# Altium PCB LimeSDR-X3_1v1.PcbDoc (part 24 of 25)
Units mm, origin at the board's own origin, x right, y up, seen from the top; angles counter-clockwise.
Board outline 232.5 x 111.15 mm, 12 copper layers (Top, L2, L3, L4, L5, L6, L7, L8, L9, L10, L11, Bottom), stack 1.596 mm thick; 2068 components, 1388 nets, 8930 pads, 3646 vias.
Unrouted connection lines stored in the file: 1.
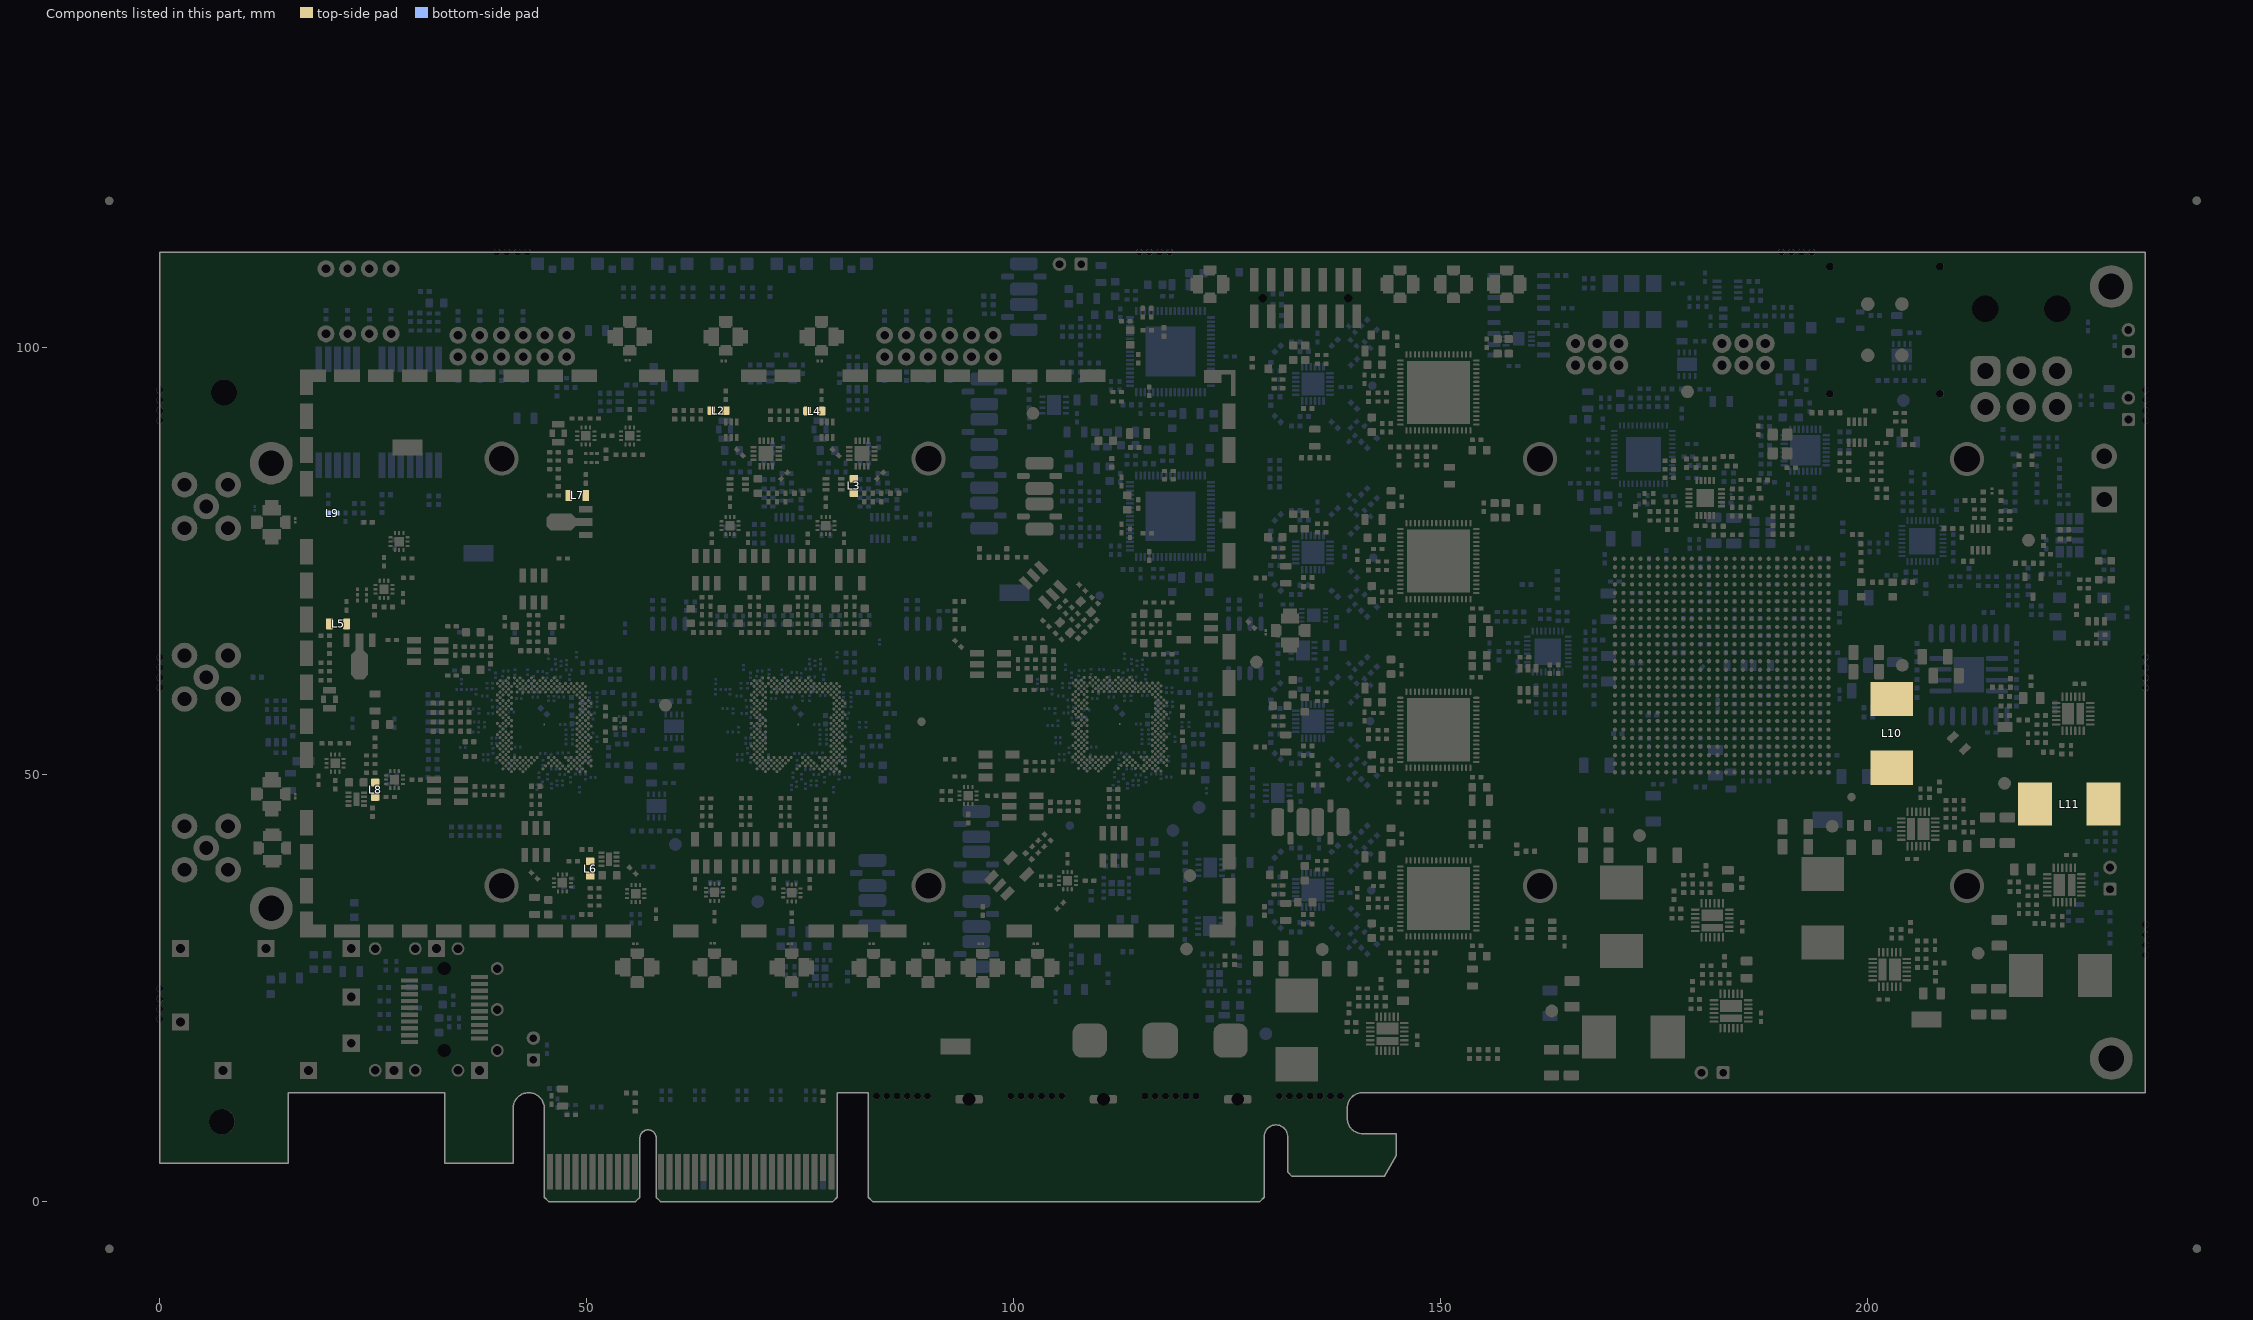
[diagram p34: the components of this part, seen from the top]

## Other copper (continued)
L2:
  pour cut-out: 45,1.4 56.2,1.4 56.2,7.475 cw(c57.125,7.475) 57.125,8.4 57.15,8.4 cw(c57.15,7.45) 58.1,7.45 58.1,1.4 79.3,1.4 79.3,5.55 45,5.55
  pour cut-out: 24.3,68.25 cw(c23.55,68.25) 23.55,67.5 23.55,69 cw(c23.55,68.25)
  pour cut-out: 91.64,49.787 cw(c92.39,49.787) 92.39,50.537 92.39,49.037 cw(c92.39,49.787)
  pour cut-out: 56.611,78.839 cw(c56.081,79.369) 55.551,78.839 56.611,79.899 cw(c56.081,79.369)
  pour cut-out: 57.786,89.67 cw(c57.036,89.67) 57.036,88.92 57.036,90.42 cw(c57.036,89.67)
  pour cut-out: 93.845,73.795 cw(c94.375,74.325) 93.845,74.855 94.905,73.795 cw(c94.375,74.325)
  pour cut-out: 199.975,105.1 199.975,105.9 ccw(c199.975,105.1) 199.175,105.1 ccw(c199.975,105.1) 199.975,104.3 ccw(c199.975,105.1) 200.775,105.1 ccw(c199.975,105.1) 199.975,105.9
  pour cut-out: 30.779,77.289 cw(c30.029,77.289) 30.029,76.539 30.029,78.039 cw(c30.029,77.289)
  pour cut-out: 107.605,41.83 cw(c107.075,41.3) 107.605,40.77 106.545,41.83 cw(c107.075,41.3)
  pour cut-out: 93.1,72.632 cw(c93.1,71.882) 93.85,71.882 92.35,71.882 cw(c93.1,71.882)
  pour cut-out: 23.291,51.332 cw(c22.541,51.332) 22.541,50.582 22.541,52.082 cw(c22.541,51.332)
  pour cut-out: 47.127,34.551 cw(c47.127,35.301) 46.377,35.301 47.877,35.301 cw(c47.127,35.301)
  pour cut-out: 52.934,36.069 cw(c53.684,36.069) 53.684,36.819 53.684,35.319 cw(c53.684,36.069)
  pour cut-out: 27.466,53.307 cw(c27.466,52.557) 28.216,52.557 26.716,52.557 cw(c27.466,52.557)
  pour cut-out: 81.75,85.474 81.75,83.824 80.75,83.824 80.75,85.474
  pour cut-out: 76.651,93.075 78.301,93.075 78.301,92.075 76.651,92.075
  pour cut-out: 65.426,93.125 67.076,93.125 67.076,92.125 65.426,92.125
  pour cut-out: 70.522,85.473 70.522,83.823 69.522,83.823 69.522,85.473
  pour cut-out: 76.102,100.779 78.827,100.779 78.827,99.079 76.102,99.079
  pour cut-out: 64.876,100.779 67.601,100.779 67.601,99.079 64.876,99.079
  pour cut-out: 53.65,100.779 56.375,100.779 56.375,99.079 53.65,99.079
  pour cut-out: 13.571,78.176 13.571,80.901 15.271,80.901 15.271,78.176
  pour cut-out: 13.571,46.344 13.571,49.069 15.271,49.069 15.271,46.344
  pour cut-out: 12.668,42.772 12.668,40.047 10.968,40.047 10.968,42.772
  pour cut-out: 57.264,27.921 54.539,27.921 54.539,29.621 57.264,29.621
  pour cut-out: 66.312,27.921 63.587,27.921 63.587,29.621 66.312,29.621
  pour cut-out: 75.359,27.921 72.634,27.921 72.634,29.621 75.359,29.621
  pour cut-out: 84.922,27.9 82.197,27.9 82.197,29.6 84.922,29.6
  pour cut-out: 91.322,27.9 88.597,27.9 88.597,29.6 91.322,29.6
  pour cut-out: 97.722,27.9 94.997,27.9 94.997,29.6 97.722,29.6
  pour cut-out: 104.122,27.9 101.397,27.9 101.397,29.6 104.122,29.6
  pour cut-out: 99.33,38.717 100.801,40.188 99.563,41.425 98.092,39.954
  pour cut-out: 101.232,36.815 102.703,38.286 101.465,39.523 99.994,38.052
  pour cut-out: 98.863,38.25 97.392,36.779 96.155,38.017 97.626,39.488
  pour cut-out: 109.71,41.053 109.71,39.135 111.06,39.135 111.06,41.053
  pour cut-out: 111.064,42.036 111.064,43.955 109.714,43.955 109.714,42.036
  pour cut-out: 113.604,42.036 113.604,43.955 112.254,43.955 112.254,42.036
  pour cut-out: 100.548,48.214 98.63,48.214 98.63,46.864 100.548,46.864
  pour cut-out: 101.531,46.86 103.45,46.86 103.45,48.21 101.531,48.21
  pour cut-out: 101.531,44.32 103.45,44.32 103.45,45.67 101.531,45.67
  pour cut-out: 121.805,67.603 123.885,67.603 123.885,69.353 121.805,69.353
  pour cut-out: 121.145,69.343 119.065,69.343 119.065,67.593 121.145,67.593
  pour cut-out: 121.145,66.653 119.065,66.653 119.065,64.903 121.145,64.903
  pour cut-out: 97.909,48.796 95.829,48.796 95.829,50.546 97.909,50.546
  pour cut-out: 98.569,53.226 100.649,53.226 100.649,51.476 98.569,51.476
  pour cut-out: 98.569,50.536 100.649,50.536 100.649,48.786 98.569,48.786
  pour cut-out: 97.747,60.997 99.666,60.997 99.666,62.347 97.747,62.347
  pour cut-out: 97.747,63.537 99.666,63.537 99.666,64.887 97.747,64.887
  pour cut-out: 96.764,64.89 94.846,64.89 94.846,63.54 96.764,63.54
  pour cut-out: 102.386,70.494 103.743,69.137 104.697,70.092 103.341,71.448
  pour cut-out: 104.182,72.29 105.539,70.933 106.493,71.888 105.137,73.245
  pour cut-out: 104.444,73.942 103.087,75.298 102.133,74.344 103.489,72.987
  pour cut-out: 63.515,40.515 63.515,38.435 61.765,38.435 61.765,40.515
  pour cut-out: 61.775,41.175 61.775,43.255 63.525,43.255 63.525,41.175
  pour cut-out: 64.465,41.175 64.465,43.255 66.215,43.255 66.215,41.175
  pour cut-out: 72.745,40.515 72.745,38.435 70.995,38.435 70.995,40.515
  pour cut-out: 75.435,41.175 75.435,43.255 73.685,43.255 73.685,41.175
  pour cut-out: 72.745,41.175 72.745,43.255 70.995,43.255 70.995,41.175
  pour cut-out: 79.317,41.336 79.317,43.254 77.967,43.254 77.967,41.336
  pour cut-out: 76.777,41.336 76.777,43.254 75.427,43.254 75.427,41.336
  pour cut-out: 75.423,40.353 75.423,38.434 76.773,38.434 76.773,40.353
  pour cut-out: 70.527,41.336 70.527,43.255 69.177,43.255 69.177,41.336
  pour cut-out: 67.987,41.336 67.987,43.255 66.637,43.255 66.637,41.336
  pour cut-out: 66.633,40.353 66.633,38.435 67.983,38.435 67.983,40.353
  pour cut-out: 45.949,42.658 45.949,44.577 44.599,44.577 44.599,42.658
  pour cut-out: 43.409,42.658 43.409,44.577 42.059,44.577 42.059,42.658
  pour cut-out: 42.056,41.675 42.056,39.757 43.406,39.757 43.406,41.675
  pour cut-out: 31.842,62.535 33.76,62.535 33.76,63.885 31.842,63.885
  pour cut-out: 31.842,65.075 33.76,65.075 33.76,66.425 31.842,66.425
  pour cut-out: 30.859,66.428 28.94,66.428 28.94,65.078 30.859,65.078
  pour cut-out: 41.794,71.24 41.794,69.321 43.144,69.321 43.144,71.24
  pour cut-out: 44.334,71.24 44.334,69.321 45.684,69.321 45.684,71.24
  pour cut-out: 45.688,72.223 45.688,74.141 44.338,74.141 44.338,72.223
  pour cut-out: 73.249,73.504 73.249,71.585 74.599,71.585 74.599,73.504
  pour cut-out: 75.789,73.504 75.789,71.585 77.139,71.585 77.139,73.504
  pour cut-out: 77.142,74.487 77.142,76.405 75.792,76.405 75.792,74.487
  pour cut-out: 81.301,73.665 81.301,71.585 83.051,71.585 83.051,73.665
  pour cut-out: 78.611,73.665 78.611,71.585 80.361,71.585 80.361,73.665
  pour cut-out: 80.351,74.325 80.351,76.405 78.601,76.405 78.601,74.325
  pour cut-out: 70.075,73.665 70.075,71.585 71.825,71.585 71.825,73.665
  pour cut-out: 67.385,73.665 67.385,71.585 69.135,71.585 69.135,73.665
  pour cut-out: 69.125,74.325 69.125,76.405 67.375,76.405 67.375,74.325
  pour cut-out: 65.916,74.487 65.916,76.405 64.566,76.405 64.566,74.487
  pour cut-out: 64.563,73.504 64.563,71.585 65.913,71.585 65.913,73.504
  pour cut-out: 62.023,73.504 62.023,71.585 63.373,71.585 63.373,73.504
  pour cut-out: 49.182,83.344 50.582,83.344 50.582,82.044 49.182,82.044
  pour cut-out: 48.71,81.415 51.013,81.415 51.013,80.39 48.71,80.39
  pour cut-out: 51.013,77.724 48.71,77.724 48.71,78.749 51.013,78.749
  pour cut-out: 34.158,46.16 36.076,46.16 36.076,47.51 34.158,47.51
  pour cut-out: 34.158,48.7 36.076,48.7 36.076,50.05 34.158,50.05
  pour cut-out: 25.2,66.903 25.2,64.6 24.175,64.6 24.175,66.903
  region net GND: 231.875,91.825 229.125,91.825 229.125,91.325 231.875,91.325
  region net GND: 230.25,92.95 230.25,90.2 230.75,90.2 230.75,92.95
  region net GND: 224.7,82.979 224.7,81.5 230.6,81.5 230.6,82.979
  region net GND: 228.419,85.16 226.94,85.16 226.94,79.26 228.419,79.26
  pour cut-out: 24.691,46.625 24.691,48.125 25.691,48.125 25.691,46.625
  pour cut-out: 50.877,40.675 50.877,39.025 49.877,39.025 49.877,40.675
  pour cut-out: 131.825,68.25 131.825,65.525 130.125,65.525 130.125,68.25
  pour cut-out: 33.175,48.7 31.256,48.7 31.256,50.05 33.175,50.05
  pour cut-out: 22.575,66.552 22.575,64.6 21.175,64.6 21.175,66.552
  pour cut-out: 21.175,68.302 22.575,68.302 22.575,67.002 21.175,67.002
L3:
  pour cut-out: 20.23,71.555 cw(c19.7,71.025) 20.23,70.495 cw(c19.7,71.025) 19.17,70.495 cw(c19.7,71.025) 19.17,71.555 cw(c19.7,71.025)
  pour cut-out: 24.3,68.25 cw(c23.55,68.25) 23.55,67.5 cw(c23.55,68.25) 22.8,68.25 cw(c23.55,68.25) 23.55,69 cw(c23.55,68.25)
  pour cut-out: 91.64,49.787 cw(c92.39,49.787) 92.39,50.537 cw(c92.39,49.787) 93.14,49.787 cw(c92.39,49.787) 92.39,49.037 cw(c92.39,49.787)
  pour cut-out: 56.611,78.839 cw(c56.081,79.369) 55.551,78.839 cw(c56.081,79.369) 55.551,79.899 cw(c56.081,79.369) 56.611,79.899 cw(c56.081,79.369)
  pour cut-out: 57.786,89.67 cw(c57.036,89.67) 57.036,88.92 cw(c57.036,89.67) 56.286,89.67 cw(c57.036,89.67) 57.036,90.42 cw(c57.036,89.67)
  pour cut-out: 93.845,73.795 cw(c94.375,74.325) 93.845,74.855 cw(c94.375,74.325) 94.905,74.855 cw(c94.375,74.325) 94.905,73.795 cw(c94.375,74.325)
  pour cut-out: 30.779,77.289 cw(c30.029,77.289) 30.029,76.539 cw(c30.029,77.289) 29.279,77.289 cw(c30.029,77.289) 30.029,78.039 cw(c30.029,77.289)
  pour cut-out: 107.605,41.83 cw(c107.075,41.3) 107.605,40.77 cw(c107.075,41.3) 106.545,40.77 cw(c107.075,41.3) 106.545,41.83 cw(c107.075,41.3)
  pour cut-out: 93.1,72.632 cw(c93.1,71.882) 93.85,71.882 cw(c93.1,71.882) 93.1,71.132 cw(c93.1,71.882) 92.35,71.882 cw(c93.1,71.882)
  pour cut-out: 23.291,51.332 cw(c22.541,51.332) 22.541,50.582 cw(c22.541,51.332) 21.791,51.332 cw(c22.541,51.332) 22.541,52.082 cw(c22.541,51.332)
  pour cut-out: 47.127,34.551 cw(c47.127,35.301) 46.377,35.301 cw(c47.127,35.301) 47.127,36.051 cw(c47.127,35.301) 47.877,35.301 cw(c47.127,35.301)
  pour cut-out: 52.934,36.069 cw(c53.684,36.069) 53.684,36.819 cw(c53.684,36.069) 54.434,36.069 cw(c53.684,36.069) 53.684,35.319 cw(c53.684,36.069)
  pour cut-out: 27.466,53.307 cw(c27.466,52.557) 28.216,52.557 cw(c27.466,52.557) 27.466,51.807 cw(c27.466,52.557) 26.716,52.557 cw(c27.466,52.557)
  region net FPGA_DONE: 186.875,68.775
  text "A" at 35.693,6.37 h0.7
  text "V" at 36.693,6.37 h0.7
  text "D" at 37.793,6.37 h0.7
  text "R" at 38.343,6.37 h0.7
  text "L" at 36.168,5.795 h0.7
L4:
  pour cut-out: 20.23,71.555 cw(c19.7,71.025) 20.23,70.495 cw(c19.7,71.025) 19.17,70.495 cw(c19.7,71.025) 19.17,71.555 cw(c19.7,71.025)
  pour cut-out: 24.3,68.25 cw(c23.55,68.25) 23.55,67.5 cw(c23.55,68.25) 22.8,68.25 cw(c23.55,68.25) 23.55,69 cw(c23.55,68.25)
  pour cut-out: 218.688,80.582 cw(c218.688,80.082) 219.187,80.082 219.187,79.907 cw(c218.688,79.907) 218.688,79.407 217.913,79.407 cw(c217.912,79.832) 217.487,79.832 217.487,80.107 cw(c217.962,80.107) 217.963,80.582
  pour cut-out: 91.64,49.787 cw(c92.39,49.787) 92.39,50.537 cw(c92.39,49.787) 93.14,49.787 cw(c92.39,49.787) 92.39,49.037 cw(c92.39,49.787)
  pour cut-out: 56.611,78.839 cw(c56.081,79.369) 55.551,78.839 cw(c56.081,79.369) 55.551,79.899 cw(c56.081,79.369) 56.611,79.899 cw(c56.081,79.369)
  pour cut-out: 57.786,89.67 cw(c57.036,89.67) 57.036,88.92 cw(c57.036,89.67) 56.286,89.67 cw(c57.036,89.67) 57.036,90.42 cw(c57.036,89.67)
  pour cut-out: 93.845,73.795 cw(c94.375,74.325) 93.845,74.855 cw(c94.375,74.325) 94.905,74.855 cw(c94.375,74.325) 94.905,73.795 cw(c94.375,74.325)
  pour cut-out: 30.779,77.289 cw(c30.029,77.289) 30.029,76.539 cw(c30.029,77.289) 29.279,77.289 cw(c30.029,77.289) 30.029,78.039 cw(c30.029,77.289)
  pour cut-out: 107.605,41.83 cw(c107.075,41.3) 107.605,40.77 cw(c107.075,41.3) 106.545,40.77 cw(c107.075,41.3) 106.545,41.83 cw(c107.075,41.3)
  pour cut-out: 93.1,72.632 cw(c93.1,71.882) 93.85,71.882 cw(c93.1,71.882) 93.1,71.132 cw(c93.1,71.882) 92.35,71.882 cw(c93.1,71.882)
  pour cut-out: 23.291,51.332 cw(c22.541,51.332) 22.541,50.582 cw(c22.541,51.332) 21.791,51.332 cw(c22.541,51.332) 22.541,52.082 cw(c22.541,51.332)
  pour cut-out: 47.127,34.551 cw(c47.127,35.301) 46.377,35.301 cw(c47.127,35.301) 47.127,36.051 cw(c47.127,35.301) 47.877,35.301 cw(c47.127,35.301)
  pour cut-out: 52.934,36.069 cw(c53.684,36.069) 53.684,36.819 cw(c53.684,36.069) 54.434,36.069 cw(c53.684,36.069) 53.684,35.319 cw(c53.684,36.069)
  pour cut-out: 27.466,53.307 cw(c27.466,52.557) 28.216,52.557 cw(c27.466,52.557) 27.466,51.807 cw(c27.466,52.557) 26.716,52.557 cw(c27.466,52.557)
  region net VCC1P4_LMS1: 77.925,63.721 78.05,63.721 78.475,63.296 79.4,63.296 79.9,63.796 79.9,64.196 77.925,64.196
L5:
  pour cut-out: 20.23,70.495 cw(c19.7,71.025) 19.17,70.495 cw(c19.7,71.025) 19.17,71.555 cw(c19.7,71.025) 20.23,71.555 cw(c19.7,71.025)
  pour cut-out: 23.55,67.5 cw(c23.55,68.25) 22.8,68.25 cw(c23.55,68.25) 23.55,69 cw(c23.55,68.25) 24.3,68.25 cw(c23.55,68.25)
  pour cut-out: 91.859,50.317 cw(c92.39,49.787) 92.92,50.317 cw(c92.39,49.787) 92.92,49.257 cw(c92.39,49.787) 91.859,49.257 cw(c92.39,49.787)
  pour cut-out: 56.081,78.619 cw(c56.081,79.369) 55.331,79.369 cw(c56.081,79.369) 56.081,80.119 cw(c56.081,79.369) 56.831,79.369 cw(c56.081,79.369)
  pour cut-out: 57.566,89.139 cw(c57.036,89.67) 56.506,89.139 cw(c57.036,89.67) 56.506,90.2 cw(c57.036,89.67) 57.566,90.2 cw(c57.036,89.67)
  pour cut-out: 93.625,74.325 cw(c94.375,74.325) 94.375,75.075 cw(c94.375,74.325) 95.125,74.325 cw(c94.375,74.325) 94.375,73.575 cw(c94.375,74.325)
  pour cut-out: 93.63,72.413 cw(c93.1,71.882) 93.63,71.352 cw(c93.1,71.882) 92.57,71.352 cw(c93.1,71.882) 92.57,72.413 cw(c93.1,71.882)
  pour cut-out: 46.377,35.301 cw(c47.127,35.301) 47.127,36.051 cw(c47.127,35.301) 47.877,35.301 cw(c47.127,35.301) 47.127,34.551 cw(c47.127,35.301)
  pour cut-out: 54.434,36.069 cw(c53.684,36.069) 53.684,35.319 cw(c53.684,36.069) 52.934,36.069 cw(c53.684,36.069) 53.684,36.819 cw(c53.684,36.069)
  pour cut-out: 27.466,51.807 cw(c27.466,52.557) 26.716,52.557 cw(c27.466,52.557) 27.466,53.307 cw(c27.466,52.557) 28.216,52.557 cw(c27.466,52.557)
  pour cut-out: 22.541,50.582 cw(c22.541,51.332) 21.791,51.332 cw(c22.541,51.332) 22.541,52.082 cw(c22.541,51.332) 23.291,51.332 cw(c22.541,51.332)
  pour cut-out: 30.029,76.539 cw(c30.029,77.289) 29.279,77.289 cw(c30.029,77.289) 30.029,78.039 cw(c30.029,77.289) 30.779,77.289 cw(c30.029,77.289)
  pour cut-out: 107.605,40.77 cw(c107.075,41.3) 106.545,40.77 cw(c107.075,41.3) 106.545,41.83 cw(c107.075,41.3) 107.605,41.83 cw(c107.075,41.3)
  region net GND: 230.25,92.95 230.25,90.2 230.75,90.2 230.75,92.95
  region net GND: 231.875,91.825 229.125,91.825 229.125,91.325 231.875,91.325
  region net GND: 228.419,85.16 226.94,85.16 226.94,79.26 228.419,79.26
  region net GND: 224.7,82.979 224.7,81.5 230.6,81.5 230.6,82.979
L7:
  pour cut-out: 20.23,70.495 cw(c19.7,71.025) 19.17,70.495 cw(c19.7,71.025) 19.17,71.555 cw(c19.7,71.025) 20.23,71.555 cw(c19.7,71.025)
  pour cut-out: 23.55,67.5 cw(c23.55,68.25) 22.8,68.25 cw(c23.55,68.25) 23.55,69 cw(c23.55,68.25) 24.3,68.25 cw(c23.55,68.25)
  pour cut-out: 91.859,50.317 cw(c92.39,49.787) 92.92,50.317 cw(c92.39,49.787) 92.92,49.257 cw(c92.39,49.787) 91.859,49.257 cw(c92.39,49.787)
  pour cut-out: 56.081,78.619 cw(c56.081,79.369) 55.331,79.369 cw(c56.081,79.369) 56.081,80.119 cw(c56.081,79.369) 56.831,79.369 cw(c56.081,79.369)
  pour cut-out: 57.566,89.139 cw(c57.036,89.67) 56.506,89.139 cw(c57.036,89.67) 56.506,90.2 cw(c57.036,89.67) 57.566,90.2 cw(c57.036,89.67)
  pour cut-out: 93.625,74.325 cw(c94.375,74.325) 94.375,75.075 cw(c94.375,74.325) 95.125,74.325 cw(c94.375,74.325) 94.375,73.575 cw(c94.375,74.325)
  pour cut-out: 93.63,72.413 cw(c93.1,71.882) 93.63,71.352 cw(c93.1,71.882) 92.57,71.352 cw(c93.1,71.882) 92.57,72.413 cw(c93.1,71.882)
  pour cut-out: 46.377,35.301 cw(c47.127,35.301) 47.127,36.051 cw(c47.127,35.301) 47.877,35.301 cw(c47.127,35.301) 47.127,34.551 cw(c47.127,35.301)
  pour cut-out: 54.434,36.069 cw(c53.684,36.069) 53.684,35.319 cw(c53.684,36.069) 52.934,36.069 cw(c53.684,36.069) 53.684,36.819 cw(c53.684,36.069)
  pour cut-out: 27.466,51.807 cw(c27.466,52.557) 26.716,52.557 cw(c27.466,52.557) 27.466,53.307 cw(c27.466,52.557) 28.216,52.557 cw(c27.466,52.557)
  pour cut-out: 22.541,50.582 cw(c22.541,51.332) 21.791,51.332 cw(c22.541,51.332) 22.541,52.082 cw(c22.541,51.332) 23.291,51.332 cw(c22.541,51.332)
  pour cut-out: 30.029,76.539 cw(c30.029,77.289) 29.279,77.289 cw(c30.029,77.289) 30.029,78.039 cw(c30.029,77.289) 30.779,77.289 cw(c30.029,77.289)
  pour cut-out: 107.605,40.77 cw(c107.075,41.3) 106.545,40.77 cw(c107.075,41.3) 106.545,41.83 cw(c107.075,41.3) 107.605,41.83 cw(c107.075,41.3)
  region net GND: 231.875,91.825 229.125,91.825 229.125,91.325 231.875,91.325
  region net GND: 230.25,92.95 230.25,90.2 230.75,90.2 230.75,92.95
  region net GND: 224.7,82.979 224.7,81.5 230.6,81.5 230.6,82.979
  region net GND: 228.419,85.16 226.94,85.16 226.94,79.26 228.419,79.26
L8:
  pour cut-out: 20.23,70.495 cw(c19.7,71.025) 19.17,70.495 cw(c19.7,71.025) 19.17,71.555 cw(c19.7,71.025) 20.23,71.555 cw(c19.7,71.025)
  pour cut-out: 23.55,67.5 cw(c23.55,68.25) 22.8,68.25 cw(c23.55,68.25) 23.55,69 cw(c23.55,68.25) 24.3,68.25 cw(c23.55,68.25)
  pour cut-out: 91.859,50.317 cw(c92.39,49.787) 92.92,50.317 cw(c92.39,49.787) 92.92,49.257 cw(c92.39,49.787) 91.859,49.257 cw(c92.39,49.787)
  pour cut-out: 56.081,78.619 cw(c56.081,79.369) 55.331,79.369 cw(c56.081,79.369) 56.081,80.119 cw(c56.081,79.369) 56.831,79.369 cw(c56.081,79.369)
  pour cut-out: 57.566,89.139 cw(c57.036,89.67) 56.506,89.139 cw(c57.036,89.67) 56.506,90.2 cw(c57.036,89.67) 57.566,90.2 cw(c57.036,89.67)
  pour cut-out: 93.625,74.325 cw(c94.375,74.325) 94.375,75.075 cw(c94.375,74.325) 95.125,74.325 cw(c94.375,74.325) 94.375,73.575 cw(c94.375,74.325)
  pour cut-out: 93.63,72.413 cw(c93.1,71.882) 93.63,71.352 cw(c93.1,71.882) 92.57,71.352 cw(c93.1,71.882) 92.57,72.413 cw(c93.1,71.882)
  pour cut-out: 46.377,35.301 cw(c47.127,35.301) 47.127,36.051 cw(c47.127,35.301) 47.877,35.301 cw(c47.127,35.301) 47.127,34.551 cw(c47.127,35.301)
  pour cut-out: 54.434,36.069 cw(c53.684,36.069) 53.684,35.319 cw(c53.684,36.069) 52.934,36.069 cw(c53.684,36.069) 53.684,36.819 cw(c53.684,36.069)
  pour cut-out: 27.466,51.807 cw(c27.466,52.557) 26.716,52.557 cw(c27.466,52.557) 27.466,53.307 cw(c27.466,52.557) 28.216,52.557 cw(c27.466,52.557)
  pour cut-out: 22.541,50.582 cw(c22.541,51.332) 21.791,51.332 cw(c22.541,51.332) 22.541,52.082 cw(c22.541,51.332) 23.291,51.332 cw(c22.541,51.332)
  pour cut-out: 30.029,76.539 cw(c30.029,77.289) 29.279,77.289 cw(c30.029,77.289) 30.029,78.039 cw(c30.029,77.289) 30.779,77.289 cw(c30.029,77.289)
  pour cut-out: 107.605,40.77 cw(c107.075,41.3) 106.545,40.77 cw(c107.075,41.3) 106.545,41.83 cw(c107.075,41.3) 107.605,41.83 cw(c107.075,41.3)
  region net VCC5P0: 136.025,29.35 136.025,20.525 132.9,17.4 126.45,17.4 122.35,21.5 119.325,21.5 117.173,23.652 117.173,25.55 119.775,25.55 120.475,24.85 123.7,24.85 128.025,20.525 130.425,20.525 131.575,21.675 131.575,29.35
  region net VCC5P0: 131.575,29.35 131.575,31.875 128.8,34.65 128.8,35.85 129.45,36.5 130,36.5 136.025,30.475 136.025,29.35
  region net VDIO_LMS_FPGA: 196.925,71.725 196.8,71.6 196.55,71.6 196.2,71.95 196.2,72.375 196.625,72.8 196.8,72.8 196.925,72.675
L9:
  pour cut-out: 20.23,70.495 cw(c19.7,71.025) 19.17,70.495 cw(c19.7,71.025) 19.17,71.555 cw(c19.7,71.025) 20.23,71.555 cw(c19.7,71.025)
  pour cut-out: 23.55,67.5 cw(c23.55,68.25) 22.8,68.25 cw(c23.55,68.25) 23.55,69 cw(c23.55,68.25) 24.3,68.25 cw(c23.55,68.25)
  pour cut-out: 91.859,50.317 cw(c92.39,49.787) 92.92,50.317 cw(c92.39,49.787) 92.92,49.257 cw(c92.39,49.787) 91.859,49.257 cw(c92.39,49.787)
  pour cut-out: 56.081,78.619 cw(c56.081,79.369) 55.331,79.369 cw(c56.081,79.369) 56.081,80.119 cw(c56.081,79.369) 56.831,79.369 cw(c56.081,79.369)
  pour cut-out: 57.566,89.139 cw(c57.036,89.67) 56.506,89.139 cw(c57.036,89.67) 56.506,90.2 cw(c57.036,89.67) 57.566,90.2 cw(c57.036,89.67)
  pour cut-out: 93.625,74.325 cw(c94.375,74.325) 94.375,75.075 cw(c94.375,74.325) 95.125,74.325 cw(c94.375,74.325) 94.375,73.575 cw(c94.375,74.325)
  pour cut-out: 93.63,72.413 cw(c93.1,71.882) 93.63,71.352 cw(c93.1,71.882) 92.57,71.352 cw(c93.1,71.882) 92.57,72.413 cw(c93.1,71.882)
  pour cut-out: 46.377,35.301 cw(c47.127,35.301) 47.127,36.051 cw(c47.127,35.301) 47.877,35.301 cw(c47.127,35.301) 47.127,34.551 cw(c47.127,35.301)
  pour cut-out: 54.434,36.069 cw(c53.684,36.069) 53.684,35.319 cw(c53.684,36.069) 52.934,36.069 cw(c53.684,36.069) 53.684,36.819 cw(c53.684,36.069)
  pour cut-out: 27.466,51.807 cw(c27.466,52.557) 26.716,52.557 cw(c27.466,52.557) 27.466,53.307 cw(c27.466,52.557) 28.216,52.557 cw(c27.466,52.557)
  pour cut-out: 22.541,50.582 cw(c22.541,51.332) 21.791,51.332 cw(c22.541,51.332) 22.541,52.082 cw(c22.541,51.332) 23.291,51.332 cw(c22.541,51.332)
  pour cut-out: 30.029,76.539 cw(c30.029,77.289) 29.279,77.289 cw(c30.029,77.289) 30.029,78.039 cw(c30.029,77.289) 30.779,77.289 cw(c30.029,77.289)
  pour cut-out: 107.605,40.77 cw(c107.075,41.3) 106.545,40.77 cw(c107.075,41.3) 106.545,41.83 cw(c107.075,41.3) 107.605,41.83 cw(c107.075,41.3)
  region net GND: 230.25,92.95 230.25,90.2 230.75,90.2 230.75,92.95
  region net GND: 231.875,91.825 229.125,91.825 229.125,91.325 231.875,91.325
  region net GND: 228.419,85.16 226.94,85.16 226.94,79.26 228.419,79.26
  region net GND: 224.7,82.979 224.7,81.5 230.6,81.5 230.6,82.979
L10:
  pour cut-out: 20.23,70.495 cw(c19.7,71.025) 19.17,70.495 cw(c19.7,71.025) 19.17,71.555 cw(c19.7,71.025) 20.23,71.555 cw(c19.7,71.025)
  pour cut-out: 23.55,67.5 cw(c23.55,68.25) 22.8,68.25 cw(c23.55,68.25) 23.55,69 cw(c23.55,68.25) 24.3,68.25 cw(c23.55,68.25)
  pour cut-out: 91.859,50.317 cw(c92.39,49.787) 92.92,50.317 cw(c92.39,49.787) 92.92,49.257 cw(c92.39,49.787) 91.859,49.257 cw(c92.39,49.787)
  pour cut-out: 56.081,78.619 cw(c56.081,79.369) 55.331,79.369 cw(c56.081,79.369) 56.081,80.119 cw(c56.081,79.369) 56.831,79.369 cw(c56.081,79.369)
  pour cut-out: 57.566,89.139 cw(c57.036,89.67) 56.506,89.139 cw(c57.036,89.67) 56.506,90.2 cw(c57.036,89.67) 57.566,90.2 cw(c57.036,89.67)
  pour cut-out: 93.625,74.325 cw(c94.375,74.325) 94.375,75.075 cw(c94.375,74.325) 95.125,74.325 cw(c94.375,74.325) 94.375,73.575 cw(c94.375,74.325)
  pour cut-out: 93.63,72.413 cw(c93.1,71.882) 93.63,71.352 cw(c93.1,71.882) 92.57,71.352 cw(c93.1,71.882) 92.57,72.413 cw(c93.1,71.882)
  pour cut-out: 46.377,35.301 cw(c47.127,35.301) 47.127,36.051 cw(c47.127,35.301) 47.877,35.301 cw(c47.127,35.301) 47.127,34.551 cw(c47.127,35.301)
  pour cut-out: 54.434,36.069 cw(c53.684,36.069) 53.684,35.319 cw(c53.684,36.069) 52.934,36.069 cw(c53.684,36.069) 53.684,36.819 cw(c53.684,36.069)
  pour cut-out: 27.466,51.807 cw(c27.466,52.557) 26.716,52.557 cw(c27.466,52.557) 27.466,53.307 cw(c27.466,52.557) 28.216,52.557 cw(c27.466,52.557)
  pour cut-out: 22.541,50.582 cw(c22.541,51.332) 21.791,51.332 cw(c22.541,51.332) 22.541,52.082 cw(c22.541,51.332) 23.291,51.332 cw(c22.541,51.332)
  pour cut-out: 30.029,76.539 cw(c30.029,77.289) 29.279,77.289 cw(c30.029,77.289) 30.029,78.039 cw(c30.029,77.289) 30.779,77.289 cw(c30.029,77.289)
  pour cut-out: 107.605,40.77 cw(c107.075,41.3) 106.545,40.77 cw(c107.075,41.3) 106.545,41.83 cw(c107.075,41.3) 107.605,41.83 cw(c107.075,41.3)
  region net VCC3P3: 190.656,78.2 191.9,78.2 192.611,77.489
L6:
  pour cut-out: 19.17,71.555 cw(c19.7,71.025) 20.23,71.555 cw(c19.7,71.025) 20.23,70.495 cw(c19.7,71.025) 19.17,70.495 cw(c19.7,71.025)
  pour cut-out: 20.23,70.495 cw(c19.7,71.025) 19.17,70.495 cw(c19.7,71.025) 19.17,71.555 cw(c19.7,71.025) 20.23,71.555 cw(c19.7,71.025)
  pour cut-out: 23.55,69 cw(c23.55,68.25) 24.3,68.25 cw(c23.55,68.25) 23.55,67.5 cw(c23.55,68.25) 22.8,68.25 cw(c23.55,68.25)
  pour cut-out: 23.55,67.5 cw(c23.55,68.25) 22.8,68.25 cw(c23.55,68.25) 23.55,69 cw(c23.55,68.25) 24.3,68.25 cw(c23.55,68.25)
  pour cut-out: 91.859,50.317 cw(c92.39,49.787) 92.92,50.317 cw(c92.39,49.787) 92.92,49.257 cw(c92.39,49.787) 91.859,49.257 cw(c92.39,49.787)
  pour cut-out: 92.39,49.037 cw(c92.39,49.787) 91.64,49.787 cw(c92.39,49.787) 92.39,50.537 cw(c92.39,49.787) 93.14,49.787 cw(c92.39,49.787)
  pour cut-out: 56.081,78.619 cw(c56.081,79.369) 55.331,79.369 cw(c56.081,79.369) 56.081,80.119 cw(c56.081,79.369) 56.831,79.369 cw(c56.081,79.369)
  pour cut-out: 56.611,79.899 cw(c56.081,79.369) 56.611,78.839 cw(c56.081,79.369) 55.551,78.839 cw(c56.081,79.369) 55.551,79.899 cw(c56.081,79.369)
  pour cut-out: 57.036,90.42 cw(c57.036,89.67) 57.786,89.67 cw(c57.036,89.67) 57.036,88.92 cw(c57.036,89.67) 56.286,89.67 cw(c57.036,89.67)
  pour cut-out: 57.566,89.139 cw(c57.036,89.67) 56.506,89.139 cw(c57.036,89.67) 56.506,90.2 cw(c57.036,89.67) 57.566,90.2 cw(c57.036,89.67)
  pour cut-out: 94.905,73.795 cw(c94.375,74.325) 93.845,73.795 cw(c94.375,74.325) 93.845,74.855 cw(c94.375,74.325) 94.905,74.855 cw(c94.375,74.325)
  pour cut-out: 93.625,74.325 cw(c94.375,74.325) 94.375,75.075 cw(c94.375,74.325) 95.125,74.325 cw(c94.375,74.325) 94.375,73.575 cw(c94.375,74.325)
  pour cut-out: 93.63,72.413 cw(c93.1,71.882) 93.63,71.352 cw(c93.1,71.882) 92.57,71.352 cw(c93.1,71.882) 92.57,72.413 cw(c93.1,71.882)
  pour cut-out: 46.377,35.301 cw(c47.127,35.301) 47.127,36.051 cw(c47.127,35.301) 47.877,35.301 cw(c47.127,35.301) 47.127,34.551 cw(c47.127,35.301)
  pour cut-out: 54.434,36.069 cw(c53.684,36.069) 53.684,35.319 cw(c53.684,36.069) 52.934,36.069 cw(c53.684,36.069) 53.684,36.819 cw(c53.684,36.069)
  pour cut-out: 27.466,51.807 cw(c27.466,52.557) 26.716,52.557 cw(c27.466,52.557) 27.466,53.307 cw(c27.466,52.557) 28.216,52.557 cw(c27.466,52.557)
  pour cut-out: 22.541,50.582 cw(c22.541,51.332) 21.791,51.332 cw(c22.541,51.332) 22.541,52.082 cw(c22.541,51.332) 23.291,51.332 cw(c22.541,51.332)
  pour cut-out: 30.029,76.539 cw(c30.029,77.289) 29.279,77.289 cw(c30.029,77.289) 30.029,78.039 cw(c30.029,77.289) 30.779,77.289 cw(c30.029,77.289)
  pour cut-out: 107.605,40.77 cw(c107.075,41.3) 106.545,40.77 cw(c107.075,41.3) 106.545,41.83 cw(c107.075,41.3) 107.605,41.83 cw(c107.075,41.3)
  pour cut-out: 30.029,78.039 cw(c30.029,77.289) 30.779,77.289 cw(c30.029,77.289) 30.029,76.539 cw(c30.029,77.289) 29.279,77.289 cw(c30.029,77.289)
  pour cut-out: 106.545,41.83 cw(c107.075,41.3) 107.605,41.83 cw(c107.075,41.3) 107.605,40.77 cw(c107.075,41.3) 106.545,40.77 cw(c107.075,41.3)
  pour cut-out: 92.35,71.882 cw(c93.1,71.882) 93.1,72.632 cw(c93.1,71.882) 93.85,71.882 cw(c93.1,71.882) 93.1,71.132 cw(c93.1,71.882)
  pour cut-out: 22.541,52.082 cw(c22.541,51.332) 23.291,51.332 cw(c22.541,51.332) 22.541,50.582 cw(c22.541,51.332) 21.791,51.332 cw(c22.541,51.332)
  pour cut-out: 47.877,35.301 cw(c47.127,35.301) 47.127,34.551 cw(c47.127,35.301) 46.377,35.301 cw(c47.127,35.301) 47.127,36.051 cw(c47.127,35.301)
  pour cut-out: 53.684,35.319 cw(c53.684,36.069) 52.934,36.069 cw(c53.684,36.069) 53.684,36.819 cw(c53.684,36.069) 54.434,36.069 cw(c53.684,36.069)
  pour cut-out: 26.716,52.557 cw(c27.466,52.557) 27.466,53.307 cw(c27.466,52.557) 28.216,52.557 cw(c27.466,52.557) 27.466,51.807 cw(c27.466,52.557)
  region net VCC3P3: 110.375,22.6 111,22.6 111.175,22.775 111.175,23.45 110.825,23.8 110.6,23.8 110.225,23.425 110.225,22.75
  region net VCC1P8: 212.1,28.025 212.2,28.125 213.4,28.125 213.5,28.025 213.5,26.825 213.375,26.7 212.325,26.7 212.1,26.925
  region net VCC1P8A: 128.025,89.2 129.016,89.2 129.725,88.491 129.725,88.019 129.206,88.019
L11:
  pour cut-out: 45,1.4 56.2,1.4 56.2,7.475 cw(c57.125,7.475) 57.125,8.4 57.15,8.4 cw(c57.15,7.45) 58.1,7.45 58.1,1.4 79.3,1.4 79.3,5.55 45,5.55
  pour cut-out: 19.17,71.555 cw(c19.7,71.025) 20.23,71.555 cw(c19.7,71.025) 20.23,70.495
  pour cut-out: 23.02,68.78 cw(c23.55,68.25) 24.08,68.78 cw(c23.55,68.25) 24.08,67.72
  pour cut-out: 92.92,49.257 cw(c92.39,49.787) 91.859,49.257 cw(c92.39,49.787) 91.859,50.317
  pour cut-out: 55.551,78.839 cw(c56.081,79.369) 55.551,79.899 cw(c56.081,79.369) 56.611,79.899
  pour cut-out: 56.286,89.67 cw(c57.036,89.67) 57.036,90.42 cw(c57.036,89.67) 57.786,89.67
  pour cut-out: 94.375,75.075 cw(c94.375,74.325) 95.125,74.325 cw(c94.375,74.325) 94.375,73.575
  pour cut-out: 28.216,52.557 cw(c27.466,52.557) 27.466,51.807 cw(c27.466,52.557) 26.716,52.557
  pour cut-out: 53.154,36.599 cw(c53.684,36.069) 54.214,36.599 cw(c53.684,36.069) 54.214,35.538
  pour cut-out: 47.127,34.551 cw(c47.127,35.301) 46.377,35.301 cw(c47.127,35.301) 47.127,36.051
  pour cut-out: 23.291,51.332 cw(c22.541,51.332) 22.541,50.582 cw(c22.541,51.332) 21.791,51.332
  pour cut-out: 92.35,71.882 cw(c93.1,71.882) 93.1,72.632 cw(c93.1,71.882) 93.85,71.882
  pour cut-out: 29.279,77.289 cw(c30.029,77.289) 30.029,78.039 cw(c30.029,77.289) 30.779,77.289
  pour cut-out: 106.545,41.83 cw(c107.075,41.3) 107.605,41.83 cw(c107.075,41.3) 107.605,40.77
  pour cut-out: 19.7,84.294 20.4,84.294 20.4,87.95 19.7,87.95
  pour cut-out: 19.7,84.294 19,84.294 19,87.95 19.7,87.95
  region net GND: 230.25,92.95 230.25,90.2 230.75,90.2 230.75,92.95
  region net GND: 231.875,91.825 229.125,91.825 229.125,91.325 231.875,91.325
  region net GND: 228.419,85.16 226.94,85.16 226.94,79.26 228.419,79.26
  region net GND: 224.7,82.979 224.7,81.5 230.6,81.5 230.6,82.979
Bottom:
  drawing of 297 lines, arcs and shapes, not listed
MultiLayer:
  pour cut-out: 45,0.5 45.5,0 55.7,0 56.2,0.5 56.2,7.475 cw(c57.125,7.475) 57.125,8.4 57.15,8.4 cw(c57.15,7.45) 58.1,7.45 58.1,0.5 58.6,0 78.8,0 79.3,0.5 79.3,1.4 45,1.4
  pour cut-out: 5.675,39.275 ccw(c5.675,40.525) 6.925,40.525 6.925,41.4 5.425,41.4 5.425,39.275
  pour cut-out: 5.675,43.525 cw(c5.675,42.275) 6.925,42.275 6.925,41.4 5.425,41.4 5.425,43.525
  pour cut-out: 5.425,41.4 3.3,41.4 3.3,41.65 cw(c5.162,41.663) 5.15,43.525 5.425,43.525
  pour cut-out: 5.425,41.4 3.3,41.4 3.3,41.15 ccw(c5.162,41.137) 5.15,39.275 5.425,39.275
  pour cut-out: 5.675,59.275 ccw(c5.675,60.525) 6.925,60.525 6.925,61.4 5.425,61.4 5.425,59.275
  pour cut-out: 5.675,63.525 cw(c5.675,62.275) 6.925,62.275 6.925,61.4 5.425,61.4 5.425,63.525
  pour cut-out: 5.425,61.4 3.3,61.4 3.3,61.65 cw(c5.162,61.663) 5.15,63.525 5.425,63.525
  pour cut-out: 5.425,61.4 3.3,61.4 3.3,61.15 ccw(c5.162,61.137) 5.15,59.275 5.425,59.275
  pour cut-out: 5.675,79.275 ccw(c5.675,80.525) 6.925,80.525 6.925,81.4 5.425,81.4 5.425,79.275
  pour cut-out: 5.675,83.525 cw(c5.675,82.275) 6.925,82.275 6.925,81.4 5.425,81.4 5.425,83.525
  pour cut-out: 5.425,81.4 3.3,81.4 3.3,81.65 cw(c5.162,81.663) 5.15,83.525 5.425,83.525
  pour cut-out: 5.425,81.4 3.3,81.4 3.3,81.15 ccw(c5.162,81.137) 5.15,79.275 5.425,79.275

## Silkscreen, mask and mechanical layers (free items; w line width, h text height)
TopOverlay:
  drawing of 3335 lines, arcs and shapes, not listed
  text "LED3" at 65.15,109.65 h1
  text "LED1" at 50.975,109.625 h1
  text "LED2" at 58.15,109.625 h1
  text "FPGA" at 72.025,109.625 h1
  text "VCC" at 79.35,109.625 h1
  text "3P3" at 79.325,108.15 h1
  text "CONF" at 72,108.125 h1
  text "LED0" at 50.95,107.875 h1
  text "FPGA LEDs" at 55.6,107.85 h1.2
  text "A" at 33,107.524 h1.2 r90
  text "B" at 101.059,107.524 h1.2 r90
  text "VCC3P0" at 101.1,106.5 h1
  text "GND" at 107.5,106.5 h1
  text "LMS2" at 52.625,105.375 h1.2
  text "LMS1" at 69.351,105.375 h1.2
  text "BATT" at 102.1,105 h1
  text "TRX2" at 52.975,103.7 h1
  text "TX1" at 64.201,103.7 h1
  text "TX2" at 75.427,103.7 h1
  text "OUT" at 150,103.525 h1
  text "IN" at 143.625,103.425 h1
  text "REF" at 155.975,103.25 h1.2
  text "FPGA" at 14.925,103.225 h1.2 r90
  text "GPS/GNSS" at 101.6,103.1 h1.2
  text "PTP" at 121.1,102.5 h1.2
  text "PMOD" at 33,102.175 h1.2 r90
  text "PMOD" at 101.059,102.175 h1.2 r90
  text "SWITCH" at 16.825,102.125 h1.2 r90
  text "CLK" at 152.95,101.6 h1.2
  text "IN" at 157.525,101.6 h1.2
  text "LMK" at 144.15,101.575 h1.2
  text "CLK1" at 148.35,101.575 h1.2
  text "BATTERY" at 101.6,101.3 h1.2
  text "CLK3" at 120.4,100.7 h1.2
  text "FPGA" at 129.5,100.625 h1
  text "JTAG" at 134.05,100.625 h1
  text "FAN" at 227.6,99.175 h1 r90
  text "OUT" at 121.1,98.9 h1.2
  text "3" at 18.775,98.35 h1
  text "2" at 21.315,98.35 h1
  text "1" at 23.855,98.35 h1
  text "0" at 26.395,98.35 h1
  text "VCC" at 225.225,94.2 h0.9
  text "VCC1P8A" at 99.775,93.375 h0.7
  text "12P0" at 225.225,92.75 h0.9
  text "VCC3P3" at 176.4,91.875 h0.7
  text "EXT SYNC IN" at 162.95,91.2 h1.2
  text "EXT SYNC OUT" at 180.1,91.2 h1.2
  text "GND" at 225.225,90.9 h0.9
  text "CLK" at 177.375,90.75 h0.7
  text "VCC12P0" at 214.6,89.225 h1
  text "PWR IN" at 214.6,87.725 h1
  text "GND" at 27.05,85.325 h1
  text "VCC" at 222.275,84.9 h1 r90
  text "12P0" at 223.775,84.45 h1 r90
  text "GND" at 223.775,80.75 h1 r90
  text "REF" at 219.375,79.075 h0.7 r90
  text "VCC2P5" at 218.375,78.075 h0.7 r90
  text "TRX1" at 11,75.325 h1
  text "GPS/" at 2.9,73.8 h1.2
  text "LMS2" at 10.525,73.475 h1.2
  text "GNSS" at 2.9,71.9 h1.2
  text "VCC1P0" at 201.975,65.65 h0.7
  text "INT" at 202,64.675 h0.7
  text "LMS3" at 138.575,64.425 h1.2 r90
  text "TX2_2" at 136.6,64.3 h1 r90
  text "VCC1P4" at 57.15,61.15 h0.7
  text "VCC1P4" at 125.975,61.15 h0.7
  text "LMS1" at 57.95,60.025 h0.7
  text "LMS3" at 126.95,60.025 h0.7
  text "PTP2" at 3,53.8 h1.2
  text "LMS2" at 10.501,52.011 h1.2
  text "CLK" at 3,52 h1.2
  text "CAL" at 124.725,50.775 h1.5 r90
  text "RX2" at 10.9,50.375 h1
  text "LMS #3" at 122.7,50.15 h1.5 r90
  text "OUT" at 3,50.1 h1.2
  text "LMS #2" at 57.416,50.082 h1.5 r90
  text "VCC1P0" at 213.55,49.925 h0.7
  text "LMS #1" at 83.925,49.8 h1.5 r90
  text "VCC1P2" at 193.3,45 h0.7
  text "VCC2P5" at 171.15,44.825 h0.7
  text "VCC1P4" at 118.15,36.125 h0.7
  text "LMS2" at 119.125,35 h0.7
  text "EXT" at 0.05,33.8 h1.2
  text "TO" at 4.1,33.8 h1.2
  text "INT" at 6.95,33.8 h1.2
  text "FAN" at 226.625,33.375 h1
  text "COAX" at 3,32 h1.2
  text "FPGA" at 226.625,31.85 h1
  text "VCC5P0" at 133.85,30.575 h0.7
  text "VCC1P8" at 214.25,29.95 h0.7 r90
  text "VCC1P25" at 117.825,27.6 h0.7
  text "LMS2" at 118.8,26.475 h0.7
  text "LR44R" at 110.575,26 h1
  text "SFP" at 43.45,25.35 h1.2 r90
  text "CONN" at 45.275,25.35 h1.2 r90
  text "VCC3P3" at 159.75,24.225 h0.7
  text "RX1" at 53.73,23.3 h1
  text "RX2" at 62.777,23.3 h1
  text "RX1" at 71.825,23.3 h1
  text "RX2" at 80.637,23.279 h1
  text "W" at 84.871,23.279 h1
  text "RX2" at 87.037,23.279 h1
  text "H" at 91.271,23.279 h1
  text "RX1" at 93.237,23.279 h1
  text "W" at 97.671,23.279 h1
  text "RX1" at 99.637,23.279 h1
  text "H" at 104.071,23.279 h1
  text "FAN" at 42.1,22.425 h1
  text "BOM" at 153.1,21.775 h1.2
  text "LMS2" at 53.327,21.225 h1.2
  text "LMS1" at 67.1,21.225 h1.2
  text "LMS3" at 90.6,21.225 h1.2
  text "RF" at 42.125,20.825 h1
  text "VER" at 153.1,19.85 h1.2
  text "GND" at 210.725,19.4 h1 r90
  text "3" at 152.84,18.55 h0.8
  text "2" at 153.985,18.55 h0.8
  text "1" at 155.205,18.55 h0.8
  text "0" at 156.15,18.55 h0.8
  text "EN VCC" at 179.025,18.225 h1
  text "1P0_INT" at 179.1,16.65 h1
  text "GND" at 91.15,15.175 h1
  text "LimeSDR X3 v1.1" at 193.1,13.6 h2.6
  text "LimeSDR X3 v1.1" at 97.1,7.475 h2.6
  text "x4" at 73.518,7.431 h1.8
BottomOverlay:
  circle w0.2: c40,87 r3
  circle w0.2: c40,37 r3
  circle w0.2: c90,37 r3
  circle w0.2: c90,87 r3
  circle w0.2: c211.6,36.95 r3
  circle w0.2: c161.6,36.95 r3
  circle w0.2: c161.6,86.95 r3
  circle w0.2: c211.6,86.95 r3
  lines w0.1: 108.35,58.6 108.75,58.8
  lines w0.15: 32.05,60.6 32.3,60.35 33.25,60.35 33.6,60 33.6,58.925 33.925,58.6 37.35,58.6 ; 49.4,47.2 53,43.6 53,31.7 ; 67.15,35.5 67.15,48.875 68.85,50.575 ; 69.6,63.575 69.6,69.45 ; 78,63.575 78,69.45 ; 108.825,62.975 108.825,64.575 108.05,65.35 108.05,67.375 110.825,70.15 111.975,71.3 117.1,71.3 117.55,70.85 117.55,67.15 116.775,66.375 116.775,64.775 ; 114.225,47.75 114.225,46.175 118.25,42.15 118.25,22.825 125.05,16.025 144.45,16.025 ; 163.1,76.3 166.3,76.3 166.3,67.6 ; 167.825,95.9 168.75,94.625 ; 178.925,65.775 178.925,66.725 ; 182.8,43.075 182.8,48.95 ; 187.925,54.275 189.4,54.275 189.4,56.7 ; 207.4,86 207.4,89.5 ; 225,65.475 225.5,64.3 ; 46.25,15.15 49.775,11.625 56.325,11.625 58.9,14.2 58.9,31.7 46.25,31.7 46.25,15.15 ; 59.3,18.7 59.3,37.9 63.6,37.9 63.6,35.5 67.875,35.5 70.7,32.675 70.7,18.7 59.3,18.7 ; 64.6,69.45 75.1,69.45 75.1,76.275 66.9,76.275 66.275,76.9 64.6,76.9 64.6,69.45 ; 76.475,69.45 76.475,76.275 83.825,76.275 83.825,69.45 76.475,69.45 ; 144.45,13.025 144.45,35.875 158.25,35.875 158.25,13.025 144.45,13.025 ; 176.25,27.8 176.25,43.075 191.45,43.075 191.45,27.8 176.25,27.8
  lines w0.2: 42.475,111.1 42.475,107.6 70.4,107.6 70.4,111.075 ; 82.95,12.75 140.75,12.75
  text "3" at 18.555,106.9 h1 r270
  text "2" at 21.095,106.9 h1 r270
  text "1" at 23.635,106.9 h1 r270
  text "0" at 26.175,106.9 h1 r270
  text "FPGA" at 76.325,106.15 h1
  text "VCC" at 82.625,106.075 h1
  text "FPGA LEDs" at 52.25,105.875 h1
  text "CONF" at 76.35,104.65 h1
  text "3P3" at 82.65,104.6 h1
  text "FPGA" at 15.775,104.025 h1.2 r270
  text "SWITCH" at 13.875,102.925 h1.2 r270
  text "VCC2P5" at 205.825,91.8 h0.7
  text "CLK" at 204.7,90.75 h0.7
  text "GND" at 39.202,72.956 h1
  text "GND" at 102.003,68.306 h1
  text "VCC1P25" at 121.75,47.5 h0.7
  text "LMS3" at 120.625,46.45 h0.7
  text "VCC1P8" at 124.05,43.6 h0.7
  text "LMS3" at 122.925,42.55 h0.7
  text "VCC1P25" at 66.2,41.85 h0.7
  text "GND" at 197.175,41.725 h1
  text "LMS1" at 65.2,40.8 h0.7
  text "VCC1P8" at 71.95,37.225 h0.7
  text "LMS1" at 71.325,36.175 h0.7
  text "VCC1P8" at 131.575,21.8 h0.7
  text "LMS2" at 130.875,20.725 h0.7
  text "To be removed if not required. Used only for mechanical rigidity. No electrical connection." at 121.125,6.25 h0.7
TopSolder:
  region: 83.45,0 82.95,0.5 82.95,5.725 117.55,5.725 117.55,0
  region: 128.8,0 129.3,0.5 129.3,5.725 117.55,5.725 117.55,0
BottomSolder:
  region: 83.45,0 82.95,0.5 82.95,5.725 117.55,5.725 117.55,0
  region: 128.8,0 129.3,0.5 129.3,5.725 117.55,5.725 117.55,0